# Altium PCB ESP32-DevKit-iteration2.PcbDoc
Units mm, origin at the board's own origin, x right, y up, seen from the top; angles counter-clockwise.
Board outline 86.87 x 100.08 mm, 2 copper layers (Top Layer, Bottom Layer); 30 components, 78 nets, 298 pads, 90 vias.
Unrouted connection lines stored in the file: 5.
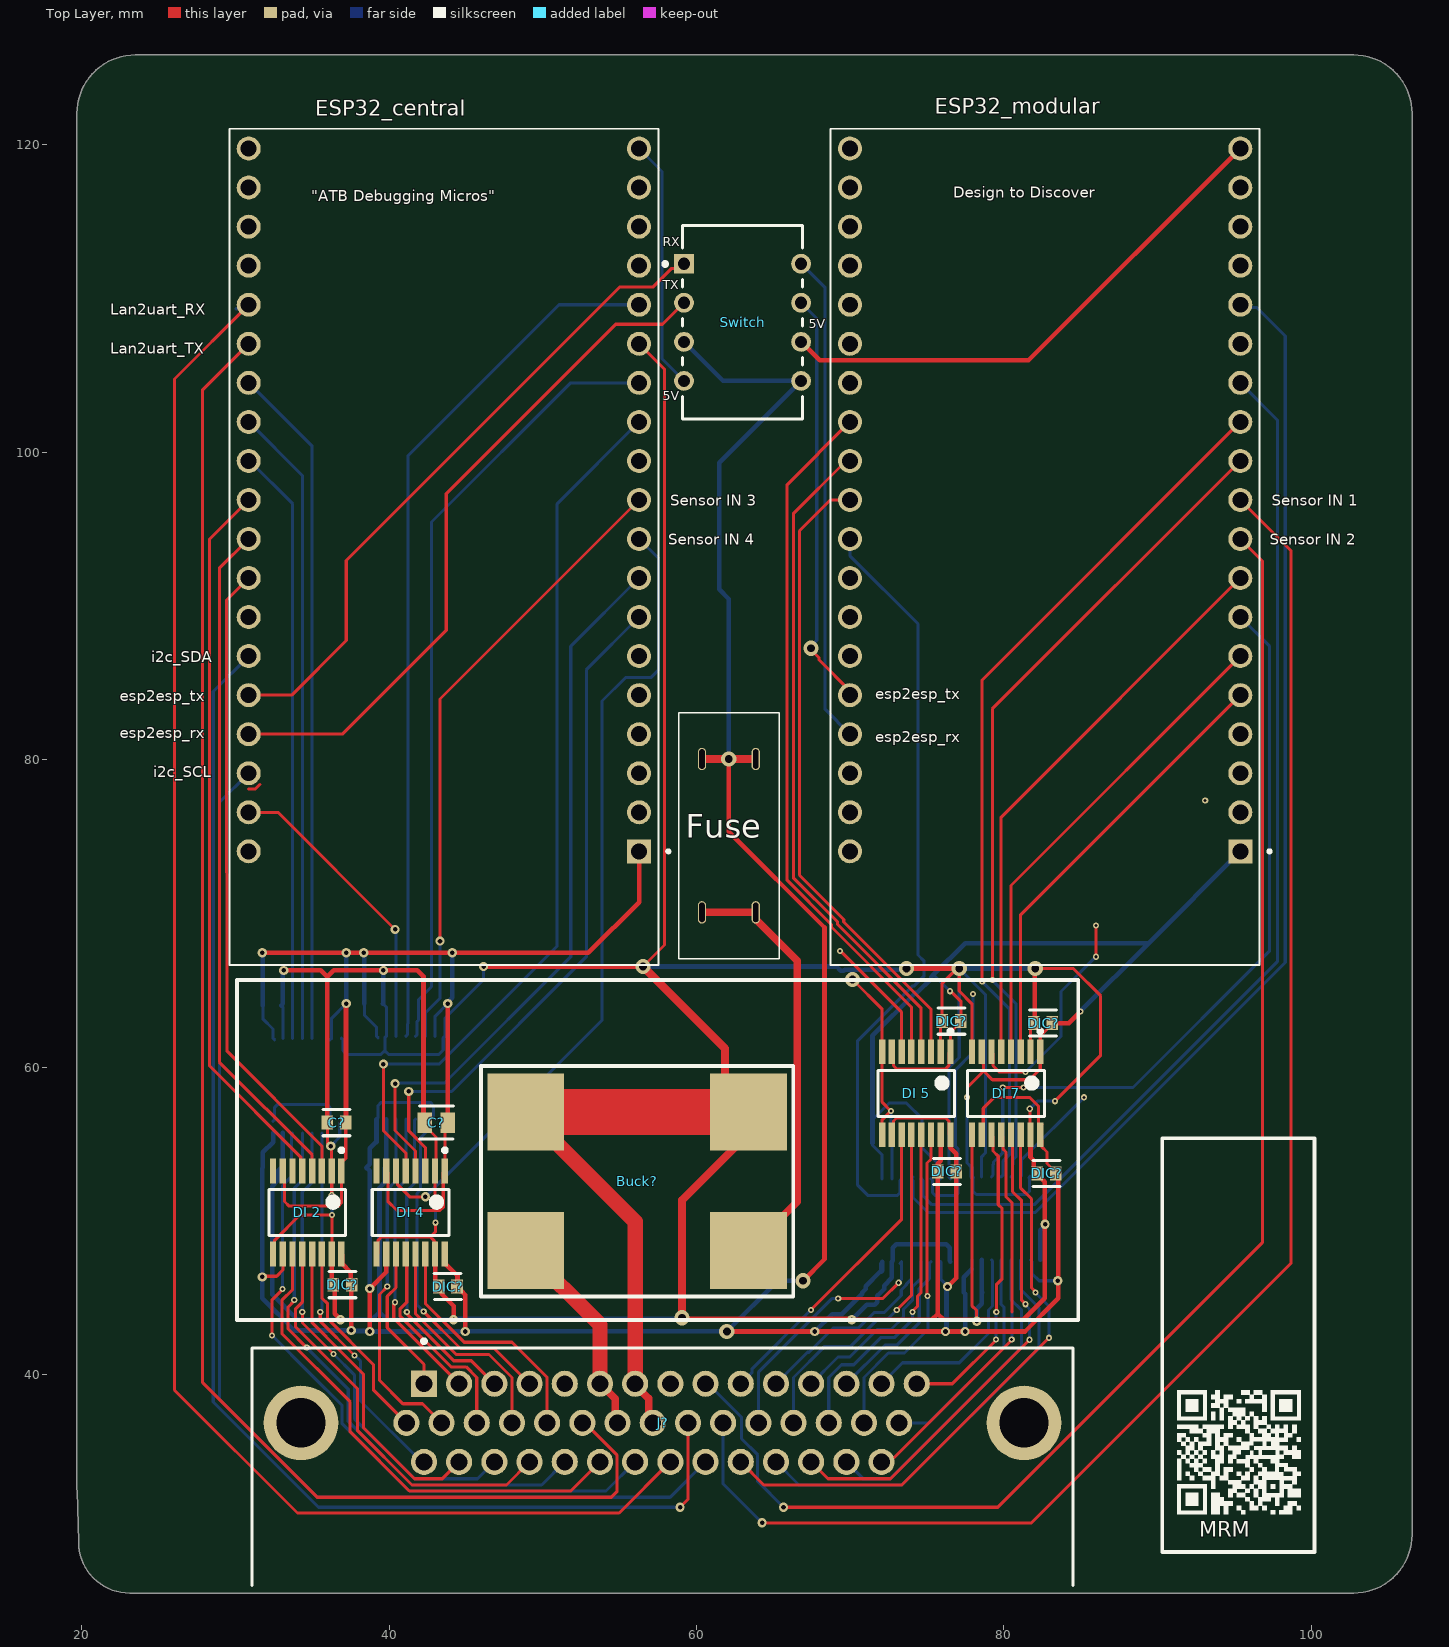
[diagram p0: Top Layer view]
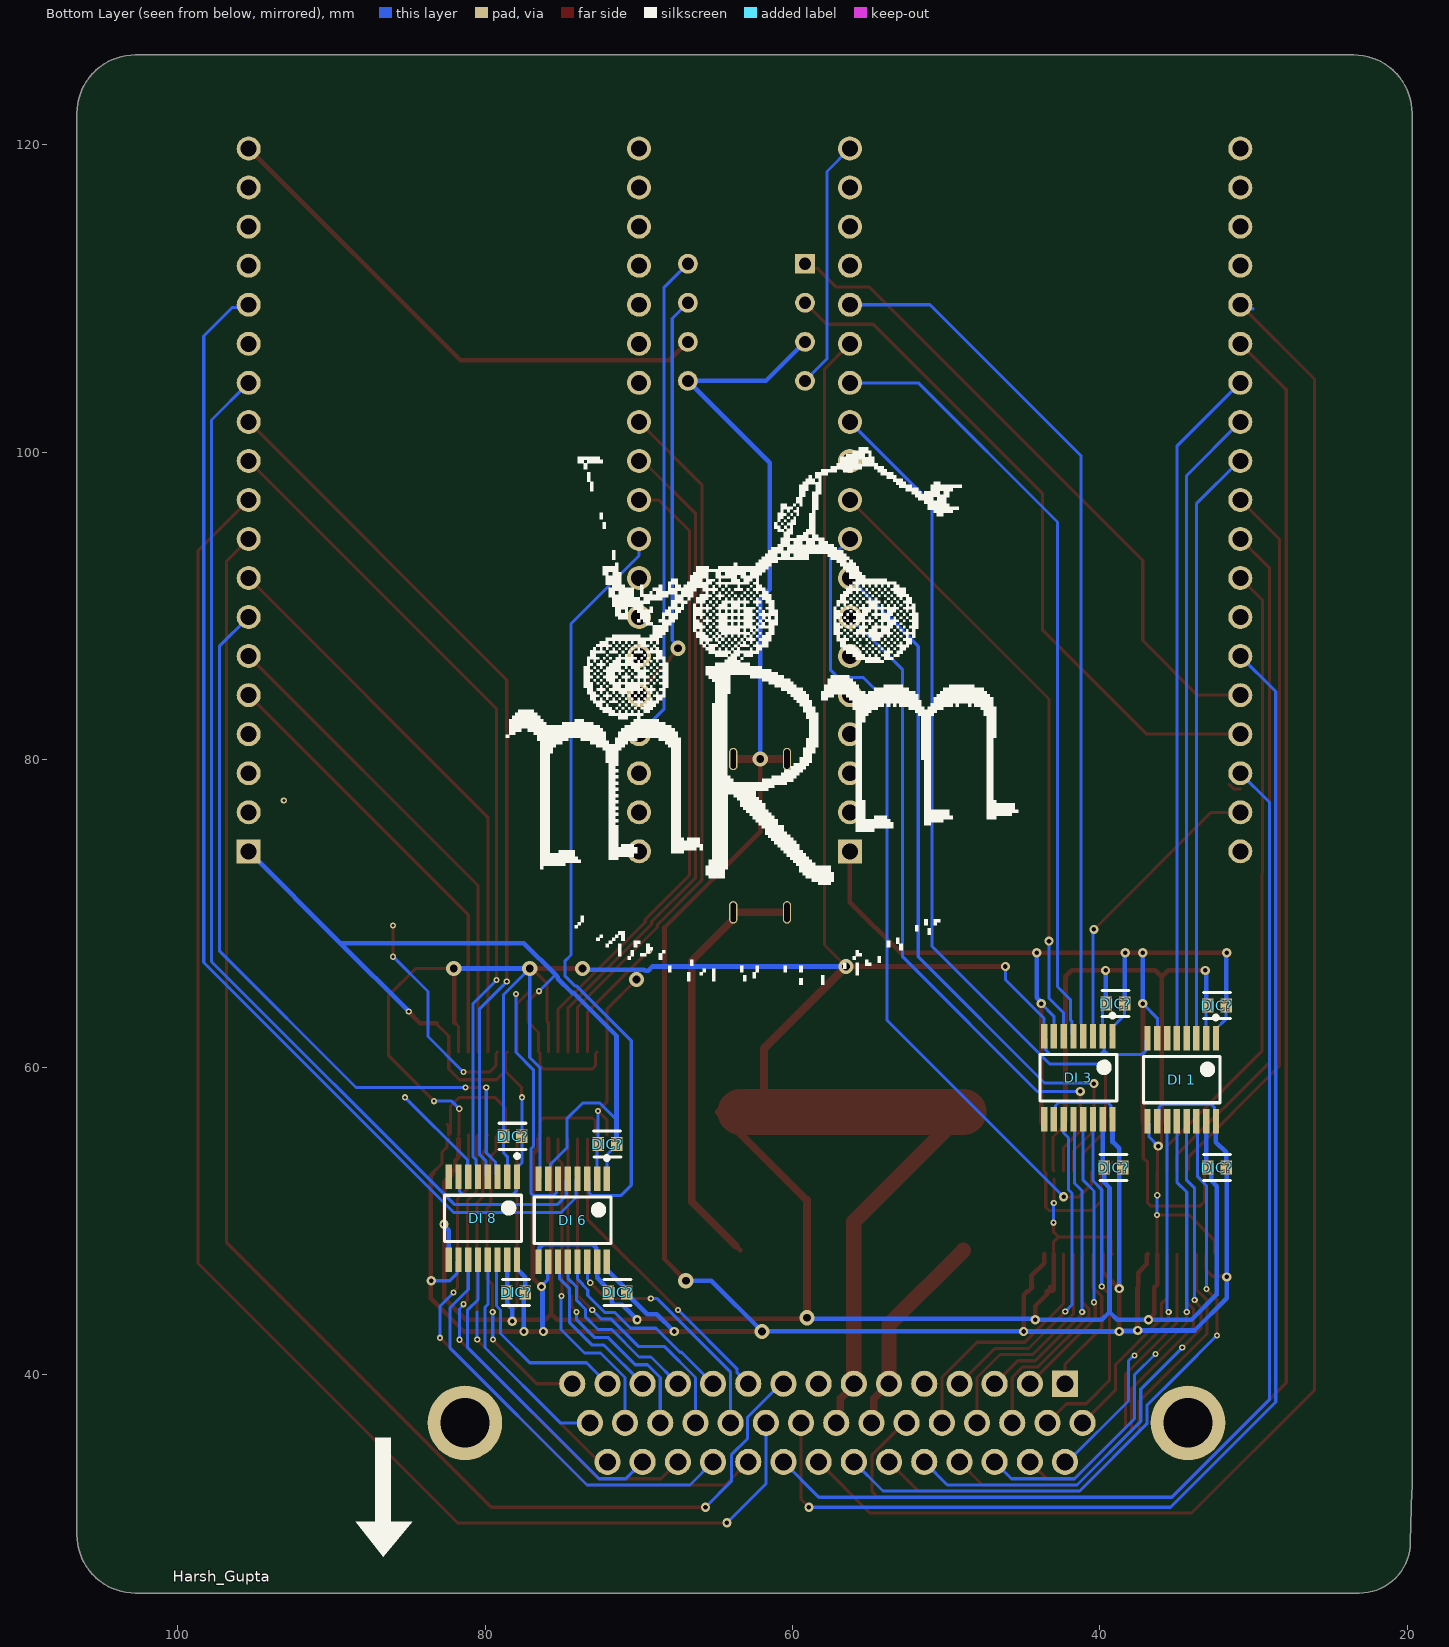
[diagram p1: Bottom Layer view, seen from below]
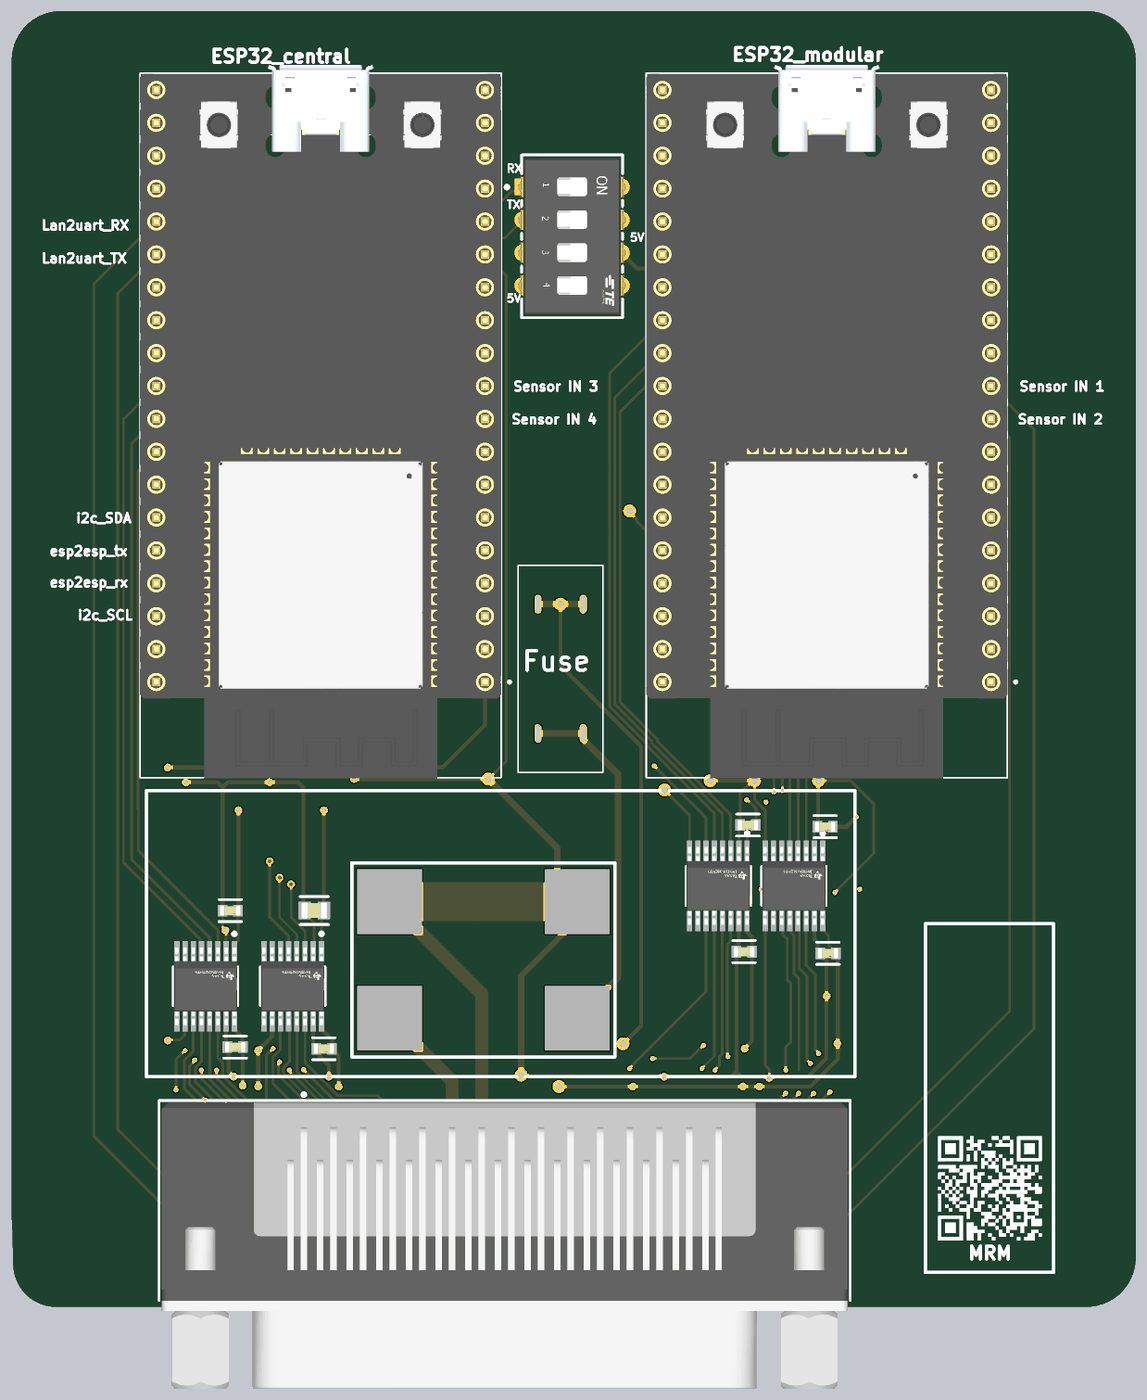
[diagram p2: 3D render of the assembled board from above, using the file's embedded part models]
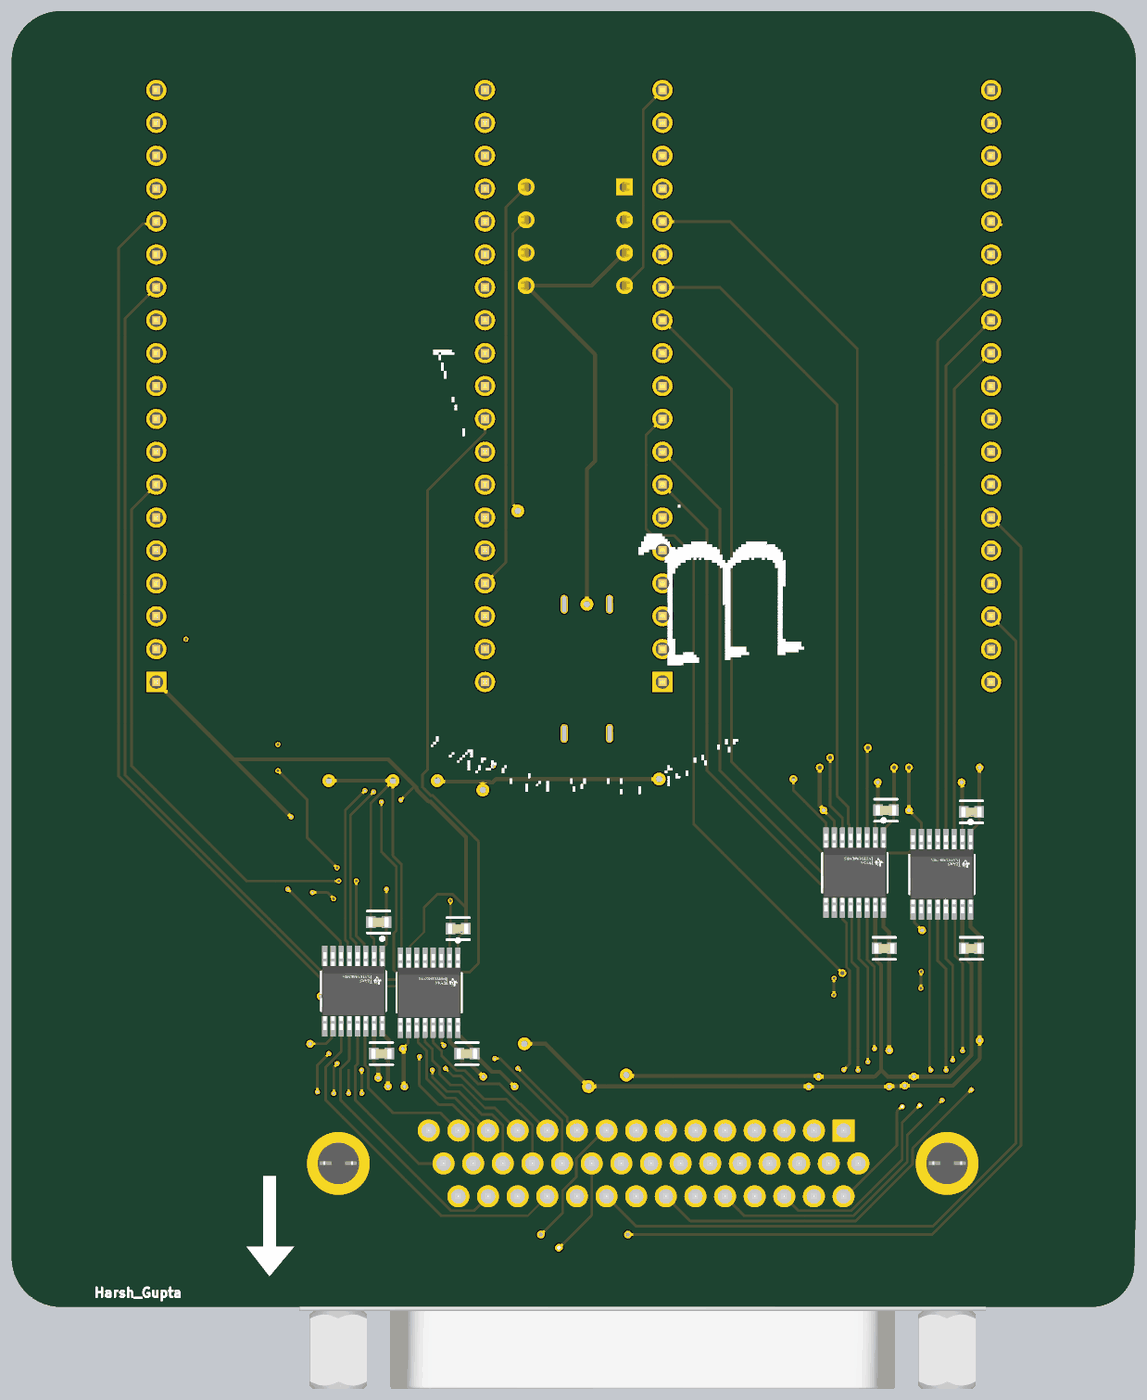
[diagram p3: 3D render of the assembled board from below, using the file's embedded part models]

## Layer stack, top to bottom
Top Solder: solder mask 0.0102, Solder Resist, Dk 3.5
Top Layer: signal copper 0.0356
Dielectric 1: dielectric 0.32, FR-4, Dk 4.8
Bottom Layer: signal copper 0.0356
Bottom Solder: solder mask 0.0102, Solder Resist, Dk 3.5

## Board outline
19.799,29.101 19.71,32.435 19.685,32.512 19.685,122.047 cw(c23.495,122.047) 23.495,125.857 102.743,125.857 cw(c102.743,122.047) 106.553,122.047 106.553,29.591 cw(c102.743,29.591) 102.743,25.781 102.616,25.781 23.121,25.781 cw(c23.121,29.103)

## Design rules (kind name [scope] priority, off if disabled: settings)
Clearance [All] p1: gap=0.254 ignorepadtopadclearanceinfootprint=FALSE except(0: Arc-Hole Track-Hole SMDPad-Hole THPad-Hole Via-Hole Fill-Hole Poly-Hole Region-Hole Text-Hole; 0.1: SMDPad-SMDPad; 0.15: Arc-THPad Arc-Via Track-THPad Track-Via; 0.2: Arc-Arc Arc-Track Arc-SMDPad Arc-Fill Arc-Poly Arc-Region Arc-Text Track-Track Track-SMDPad Track-Fill Track-Poly Track-Region Track-Text)
DiffPairsRouting [All] p1: maxlimit=0.254 minlimit=0.1 mostfreqgap=0.2 toplayer_minwidth=0.1 toplayer_maxwidth=2 toplayer_prefwidth=0.2 bottomlayer_minwidth=0.1 bottomlayer_maxwidth=2 bottomlayer_prefwidth=0.2 maxuncoupledlength=12.7
PolygonConnect [All] p1: connectstyle=Relief reliefconductorwidth=0.254 reliefentries=4 polygonreliefangle="90 Angle" airgapwidth=0.254
RoutingVias [All] p1: holewidth=0.711 width=1.27 viastyle="Through Hole" minholewidth=0.711 minwidth=1.27 maxholewidth=0.711 maxwidth=1.27
ShortCircuit ShortCircuit_1 [All] p1: allowed=FALSE
ShortCircuit [All] p2: allowed=FALSE
SolderMaskExpansion [All] p1: expansion=0.102 istentingtop=FALSE
SupplyNets "Schematic Supply Nets" [InNet('GND')] p1: voltage=0.000
UnRoutedNet [All] p1: checkbadconnections=TRUE
Width [All] p1: maxlimit=3 minlimit=0.1 preferedwidth=0.2 bottomlayer_maxwidth=2 minimp=50.000000 maximp=50.000000 favimp=50.000000
27 further rules are at their usual default settings.

## Classes and differential pairs
component class ESP32DevKit-schematic-2.0: Buck? C? "DI 1" "DI 2" "DI 3" "DI 4" "DI 5" "DI 6" "DI 7" "DI 8" DIC? ESP32_central ESP32_modular Fuse J? "modular ESP" Switch

## Components (designator, comment, footprint, x,y, rotation, side; value= is the part's Value field where it differs from the comment)
Buck? "Microbuck" "Micro buck" 56.134,52.578 r90 top
C? "C0603C104K5RACTU" FP-C0603C-CF-MFG 36.576,56.388 r180 top value="0.10 μF"
C? "C0805C106K8PACTU" FP-C0805C-DG-MFG 43.065,56.388 r180 top value=10uF
"DI 1" "ISO7741DBQ" FP-DBQ0016A-MFG 34.671,59.182 r270 bottom
"DI 2" "ISO7741DBQ" FP-DBQ0016A-MFG 34.671,50.546 r270 top
"DI 3" "ISO7741DBQ" FP-DBQ0016A-MFG 41.402,59.309 r270 bottom
"DI 4" "ISO7741DBQ" FP-DBQ0016A-MFG 41.402,50.546 r270 top
"DI 5" "ISO7741DBQ" FP-DBQ0016A-MFG 74.295,58.293 r270 top
"DI 6" "ISO7741DBQ" FP-DBQ0016A-MFG 74.295,50.038 r270 bottom
"DI 7" "ISO7741DBQ" FP-DBQ0016A-MFG 80.137,58.293 r270 top
"DI 8" "ISO7741DBQ" FP-DBQ0016A-MFG 80.137,50.165 r270 bottom
DIC? "C0603C104K5RACTU" FP-C0603C-CF-MFG 78.197,55.499 r0 bottom value="0.10 μF"
DIC? "C0603C104K5RACTU" FP-C0603C-CF-MFG 76.581,62.992 r180 top value="0.10 μF"
DIC? "C0603C104K5RACTU" FP-C0603C-CF-MFG 39.116,53.467 r0 bottom value="0.10 μF"
DIC? "C0603C104K5RACTU" FP-C0603C-CF-MFG 77.978,45.339 r0 bottom value="0.10 μF"
DIC? "C0603C104K5RACTU" FP-C0603C-CF-MFG 82.55,62.865 r180 top value="0.10 μF"
DIC? "C0603C104K5RACTU" FP-C0603C-CF-MFG 32.385,64.008 r0 bottom value="0.10 μF"
DIC? "C0603C104K5RACTU" FP-C0603C-CF-MFG 32.385,53.467 r0 bottom value="0.10 μF"
DIC? "C0603C104K5RACTU" FP-C0603C-CF-MFG 38.989,64.135 r0 bottom value="0.10 μF"
DIC? "C0603C104K5RACTU" FP-C0603C-CF-MFG 82.769,53.086 r180 top value="0.10 μF"
DIC? "C0603C104K5RACTU" FP-C0603C-CF-MFG 36.957,45.847 r180 top value="0.10 μF"
DIC? "C0603C104K5RACTU" FP-C0603C-CF-MFG 72.044,54.991 r0 bottom value="0.10 μF"
DIC? "C0603C104K5RACTU" FP-C0603C-CF-MFG 71.374,45.339 r0 bottom value="0.10 μF"
DIC? "C0603C104K5RACTU" FP-C0603C-CF-MFG 43.815,45.72 r180 top value="0.10 μF"
DIC? "C0603C104K5RACTU" FP-C0603C-CF-MFG 76.292,53.213 r180 top value="0.10 μF"
ESP32_central "ESP32-DEVKITC-32D" MODULE_ESP32-DEVKITC-32D 43.561,93.801 r180 top
ESP32_modular "ESP32-DEVKITC-32D" MODULE_ESP32-DEVKITC-32D 82.677,93.801 r180 top
Fuse "MicroBladeFuseHolder" Fuse 62.103,75.057 r180 top
J? "L717HDB44PD1CH4F" FP-L717HDB44PD1CH4F-MFG 57.785,30.48 r0 top
Switch "1825360-3" FP-1825360-3-MFG 62.992,108.458 r270 top

## Footprints (in the part's own frame and the unit in brackets; to place one, negate y for a bottom-side part, rotate by r counter-clockwise, add the part's x,y. Pads: shape width x height; smd on the part's side, far side on the other; paste and mask are expansions set on the pad)
FP-1825360-3-MFG [mm]
  rect 1.29x1.29 hole 0.79 paste-2539.97 mask+0: 1(-3.81,-3.81)
  round 1.29 hole 0.79 paste-2539.97 mask+0: 2(-1.27,-3.81) 3(1.27,-3.81) 4(3.81,-3.81) 5(3.81,3.81) 6(1.27,3.81) 7(-1.27,3.81) 8(-3.81,3.81)
  silkscreen extent -6.29,-5.16 6.29,3.9, body extent -6.4,-4.55 6.4,4.55, height 0.25
FP-C0603C-CF-MFG [mm]
  rect 0.75x0.9 smd paste+0 mask+0: 1(-0.6,0) 2(0.6,0)
  silkscreen extent -0.87,-0.85 0.88,0.85, body extent -0.8,-0.4 0.8,0.4, height 0.87
FP-C0805C-DG-MFG [mm]
  rect 0.95x1.35 smd paste+0 mask+0: 1(-0.75,0) 2(0.75,0)
  silkscreen extent -1.11,-1.08 1.1,1.07, body extent -1.4,-0.85 1.4,0.85, height 0.25
FP-DBQ0016A-MFG [mm]
  rect 1.6x0.41 smd paste+0 mask+0: 1(-2.7,2.223) 2(-2.7,1.588) 3(-2.7,0.953) 4(-2.7,0.318) 5(-2.7,-0.317) 6(-2.7,-0.952) 7(-2.7,-1.587) 8(-2.7,-2.222) 9(2.7,-2.223) 10(2.7,-1.588) 11(2.7,-0.953) 12(2.7,-0.318) 13(2.7,0.317) 14(2.7,0.952) 15(2.7,1.587) 16(2.7,2.222)
  silkscreen extent -4.17,-2.5 1.5,2.5, body extent -3,-2.45 3,2.45, height 1.75
FP-L717HDB44PD1CH4F-MFG [mm]
  rect 1.7x1.7 hole 1.1 paste-2539.97 mask+0: 1(-15.52,8.92)
  round 1.7 hole 1.1 paste-2539.97 mask+0: 2(-13.23,8.92) 3(-10.94,8.92) 4(-8.65,8.92) 5(-6.36,8.92) 6(-4.07,8.92) 7(-1.78,8.92) 8(0.51,8.92) 9(2.8,8.92) 10(5.09,8.92) 11(7.38,8.92) 12(9.67,8.92) 13(11.96,8.92) 14(14.25,8.92) 15(16.54,8.92) 16(-16.665,6.38) 17(-14.375,6.38) 18(-12.085,6.38) 19(-9.795,6.38) 20(-7.505,6.38) 21(-5.215,6.38) 22(-2.925,6.38) 23(-0.635,6.38) 24(1.655,6.38) 25(3.945,6.38) 26(6.235,6.38) 27(8.525,6.38) 28(10.815,6.38) 29(13.105,6.38) 30(15.395,6.38) 31(-15.52,3.84) 32(-13.23,3.84) 33(-10.94,3.84) 34(-8.65,3.84) 35(-6.36,3.84) 36(-4.07,3.84) 37(-1.78,3.84) 38(0.51,3.84) 39(2.8,3.84) 40(5.09,3.84) 41(7.38,3.84) 42(9.67,3.84) 43(11.96,3.84) 44(14.25,3.84)
  round 4.85 hole 3.2 paste-2539.97 mask+0: 45(-23.52,6.38) 46(23.52,6.38)
  silkscreen extent -26.71,-4.2 26.71,11.82, body extent -26.81,-11.34 26.81,11.34, height 0.25
Fuse [mm] "MicroBladeFuseHolder"
  oval 0.55x1.455 hole 0.35 slot 1.255 at 90 deg: 0(-1.75,4.988) 0(1.75,4.988) 1(-1.75,-4.988) 1(1.75,-4.988)
  silkscreen extent -3.27,-8 3.27,8
"Micro buck" [mm]
  rect 5x5 smd: 1(-4.5,7.25) 2(4.5,7.25) 3(-4.5,-7.25) 4(4.5,-7.25)
  silkscreen extent -7.5,-10.16 7.5,10.16
MODULE_ESP32-DEVKITC-32D [mm]
  rect 1.56x1.56 / inner round 1.56 / far side rect 1.56x1.56 hole 1.04: J2-1(-12.7,19.76)
  round 1.56 hole 1.04: J2-2(-12.7,17.22) J2-3(-12.7,14.68) J2-4(-12.7,12.14) J2-5(-12.7,9.6) J2-6(-12.7,7.06) J2-7(-12.7,4.52) J2-8(-12.7,1.98) J2-9(-12.7,-0.56) J2-10(-12.7,-3.1) J2-11(-12.7,-5.64) J2-12(-12.7,-8.18) J2-13(-12.7,-10.72) J2-14(-12.7,-13.26) J2-15(-12.7,-15.8) J2-16(-12.7,-18.34) J2-17(-12.7,-20.88) J2-18(-12.7,-23.42) J2-19(-12.7,-25.96) J3-1(12.7,19.76) J3-2(12.7,17.22) J3-3(12.7,14.68) J3-4(12.7,12.14) J3-5(12.7,9.6) J3-6(12.7,7.06) J3-7(12.7,4.52) J3-8(12.7,1.98) J3-9(12.7,-0.56) J3-10(12.7,-3.1) J3-11(12.7,-5.64) J3-12(12.7,-8.18) J3-13(12.7,-10.72) J3-14(12.7,-13.26) J3-15(12.7,-15.8) J3-16(12.7,-18.34) J3-17(12.7,-20.88) J3-18(12.7,-23.42) J3-19(12.7,-25.96)
  silkscreen extent -14.7,-27.25 13.95,27.15, body extent -13.97,-27.9 13.97,27.2, height 6.69

## Part data
Buck?: library part microbuck
C? DIC? DIC? DIC? DIC? DIC? DIC? DIC? DIC? DIC? DIC? DIC? DIC? DIC? DIC?: library part CMP-2006-03061-2, "CAP CER 0.1UF 50V X7R 0603", Capacitance="0.10 μF", Manufacturer=KEMET, Package=C0603C-CF, Temperature="-55°C to +125°C", Temperature Characteristic=X7R, Temperature Coefficient=30ppm/°C, Temperature Range High=+125°C, Temperature Range Low=-55°C, Tolerance=0.1, Voltage Rating="50 V", Automotive=Yes, Automotive Grade="Grade 1", Category=Cap, ComponentLink2Description=Datasheet, ComponentLink2URL=https://api.kemet.com/component-edge/download/datasheet/C0603C100J5GACAUTO.pdf, Device Class L1="Passive Components", Device Class L2=Capacitors, Device Class L3="Ceramic Capacitors", Digikey Description="CAP CER 0.1UF 50V X7R 0603", Height=0.87mm, Lead Free=Yes, Manufacturer Part Number=C0603C104K5RACTU, Material=Ceramic, Octopart=https://octopart.com/c0603c104k5ractu-kemet-139244, RoHS=TRUE
C?: library part CMP-2007-03243-2, "CAP CER 10UF 10V X5R 0805", 3DS Part Number=220-00001, Capacitance=10uF, Manufacturer=Kemet, Package=C0805C-DG, Temperature="-55°C to +85°C", Temperature Characteristic=X5R, Temperature Coefficient=15%, Temperature Range High=+85°C, Temperature Range Low=-55°C, Tolerance=10%, Voltage=10V, Automotive=No, Category=Cap, ComponentLink2Description=Datasheet, ComponentLink2URL=https://content.kemet.com/datasheets/KEM_C1006_X5R_SMD.pdf, Device Class L1="Passive Components", Device Class L2=Capacitors, Device Class L3="Ceramic Capacitors", Digikey Description="CAP CER 10UF 10V X5R 0805", Height=1.4mm, Ipc Land Pattern Name=CAPC200125X125, Lead Free=Yes, Manufacturer Part Number=C0805C106K8PACTU, Material=Ceramic, Mouser Description="CAP CER 10UF 10V X5R 0805", Octopart=https://octopart.com/c0805c106k8pactu-kemet-98697, RoHS=TRUE, Voltage Rating=10V
"DI 1" "DI 2" "DI 3" "DI 4" "DI 5" "DI 6" "DI 7" "DI 8": library part CMP-04872-000093-1, "DGTL ISO 3000VRMS 4CH GP 16SSOP", Case/Package=SSOP, Isolated Power=No, Max Operating Temperature=125°C, Min Operating Temperature=-55°C, Channel Type=Unidirectional, Data Rate=100Mbps, Mount="Surface Mount", Number of Channels=4, Packaging=Rail/Tube, Propagation Delay=16ns, Pulse Width Distortion (PWD)=4.9ns, RoHS Compliant=Yes, Type="General Purpose"
ESP32_central ESP32_modular: "WiFi Development Tools (802.11) ESP32 General Development Kit, ESP32-WROOM-32D on the board", Package=None, Check_prices=https://www.snapeda.com/parts/ESP32-DEVKITC-32D/Espressif+Systems/view-part/?ref=eda, MF="Espressif Systems", MP=ESP32-DEVKITC-32D, SnapEDA_Link=https://www.snapeda.com/parts/ESP32-DEVKITC-32D/Espressif+Systems/view-part/?ref=snap
J?: library part CMP-02362-000001-1, "CONN DSUB HD PLUG 44POS R/A SLDR", Current Rating=3A, Max Operating Temperature=105°C, Min Operating Temperature=-55°C, Package Quantity=50, Voltage Rating=250V, Body Material=Steel, Connector Type=D-Sub, Contact Material=Brass, Contact Plating=Gold, Depth=22.22mm, Gender=Male, Housing Material=Thermoplastic, Length=53.09mm, Mount="Through Hole", Number of Contacts=44, Number of Ports=1, Number of Positions=44, Number of Rows=3, Number of Terminals=44, Orientation="Right Angle", Packaging=Tray, Termination=Solder, Width=12.55mm
Switch: library part CMP-03400-000022-1, "SWITCH SLIDE DIP SPST 100MA 24V", Contact Current Rating=1A, Contact Resistance=50mR, Flammability Rating="UL94 V-0", Housing Color=Black, Max Current Rating=100mA, Max Operating Temperature=85°C, Max Voltage Rating (DC)=24V, Min Operating Temperature=-30°C, Package Quantity=35, Voltage Rating (DC)=5V, Actuator Length=0.99mm, Actuator Material=Polybutylene, Actuator Type=Standard, Contact Material="Copper Alloy", Contact Plating=Gold, Contact Post Length=4mm, Depth=7.49mm, Electrical Life=1000Cycles, ELV=Compliant, Height=0.138inch, Housing Material=Polyphenylene, Lead Free="Lead Free", Length=0.476inch, Mount="Through Hole", Number of Circuits=4, Number of Positions=4, Orientation=Straight, Packaging=Rail/Tube, Pitch=0.1inch, Radiation Hardening=No, RoHS Compliant=Yes, Sealable="No (Without)", Series=ADE, Terminal Pitch=2.54mm, Termination="PC Pins", Throw Configuration=SPST, Type=Switch, Washable=Yes

## Via types
v1: diameter 0.4, hole 0.2, Top Layer to Bottom Layer, 46 vias
v2: diameter 0.6, hole 0.3, Top Layer to Bottom Layer, 34 vias
v3: diameter 1, hole 0.5, Top Layer to Bottom Layer, 10 vias
